# Altium PCB m-BLANC.PcbDoc (part 1 of 15) (continued)
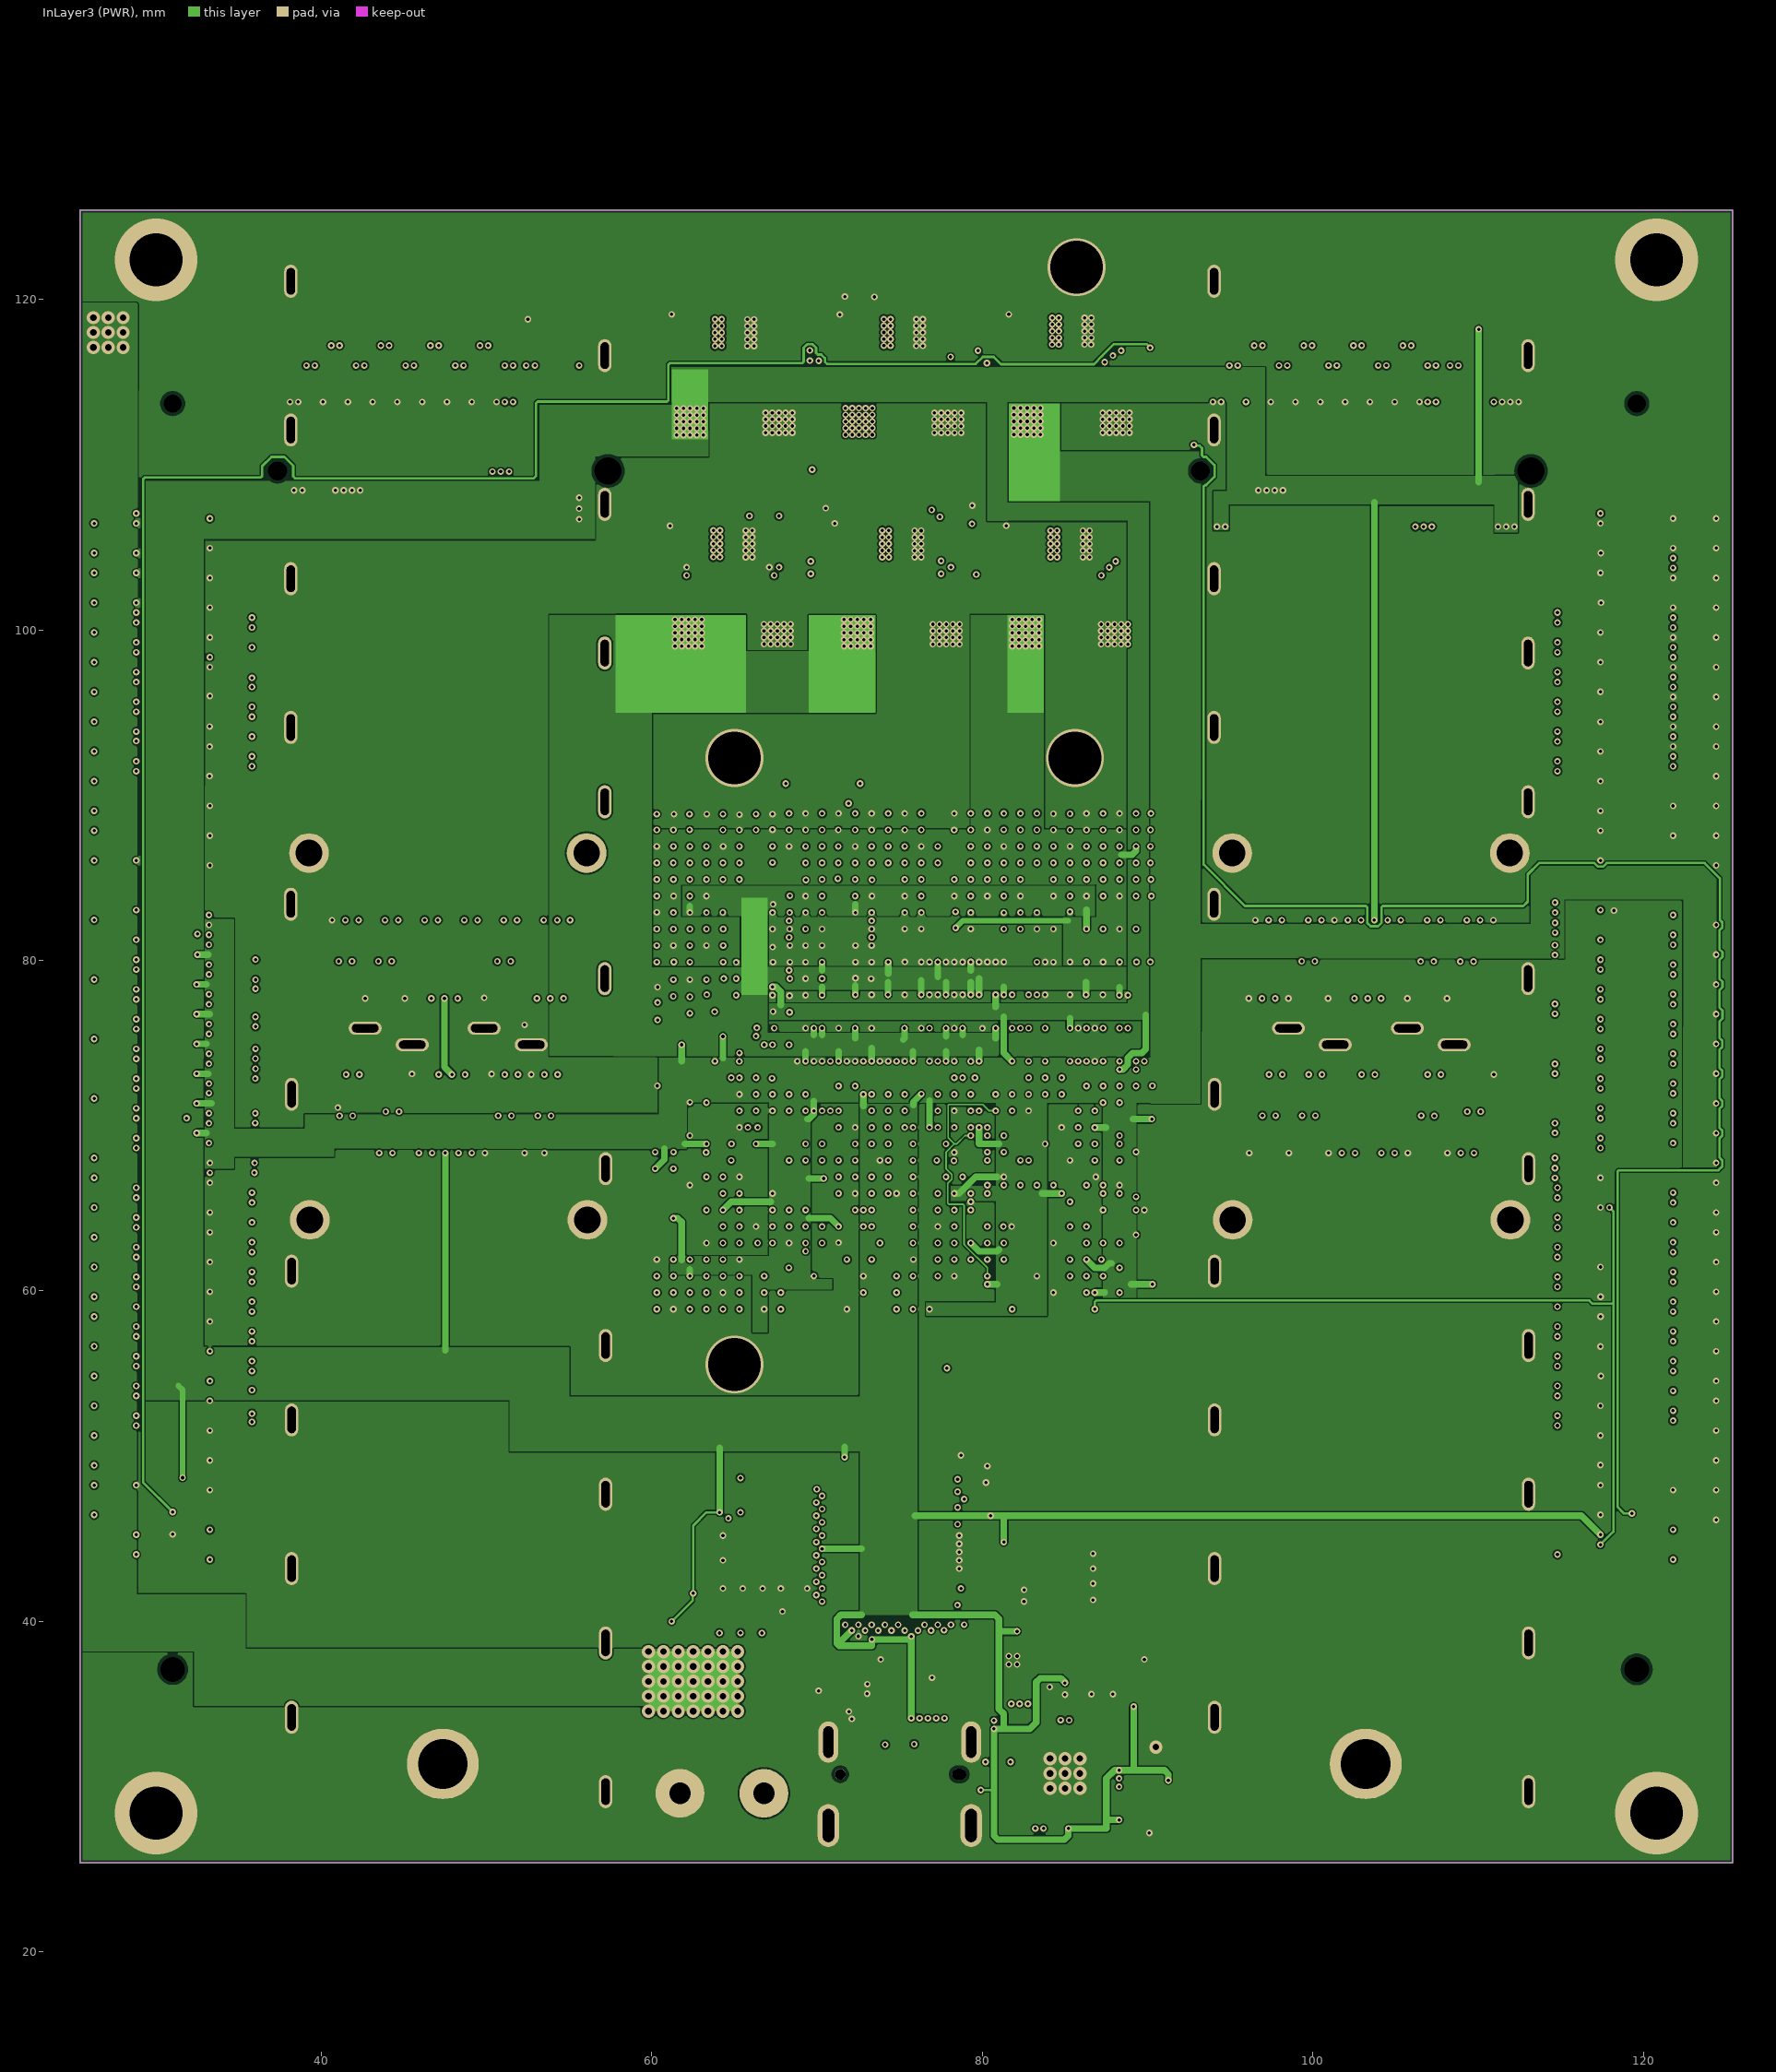
[diagram p4: InLayer3 (PWR)]
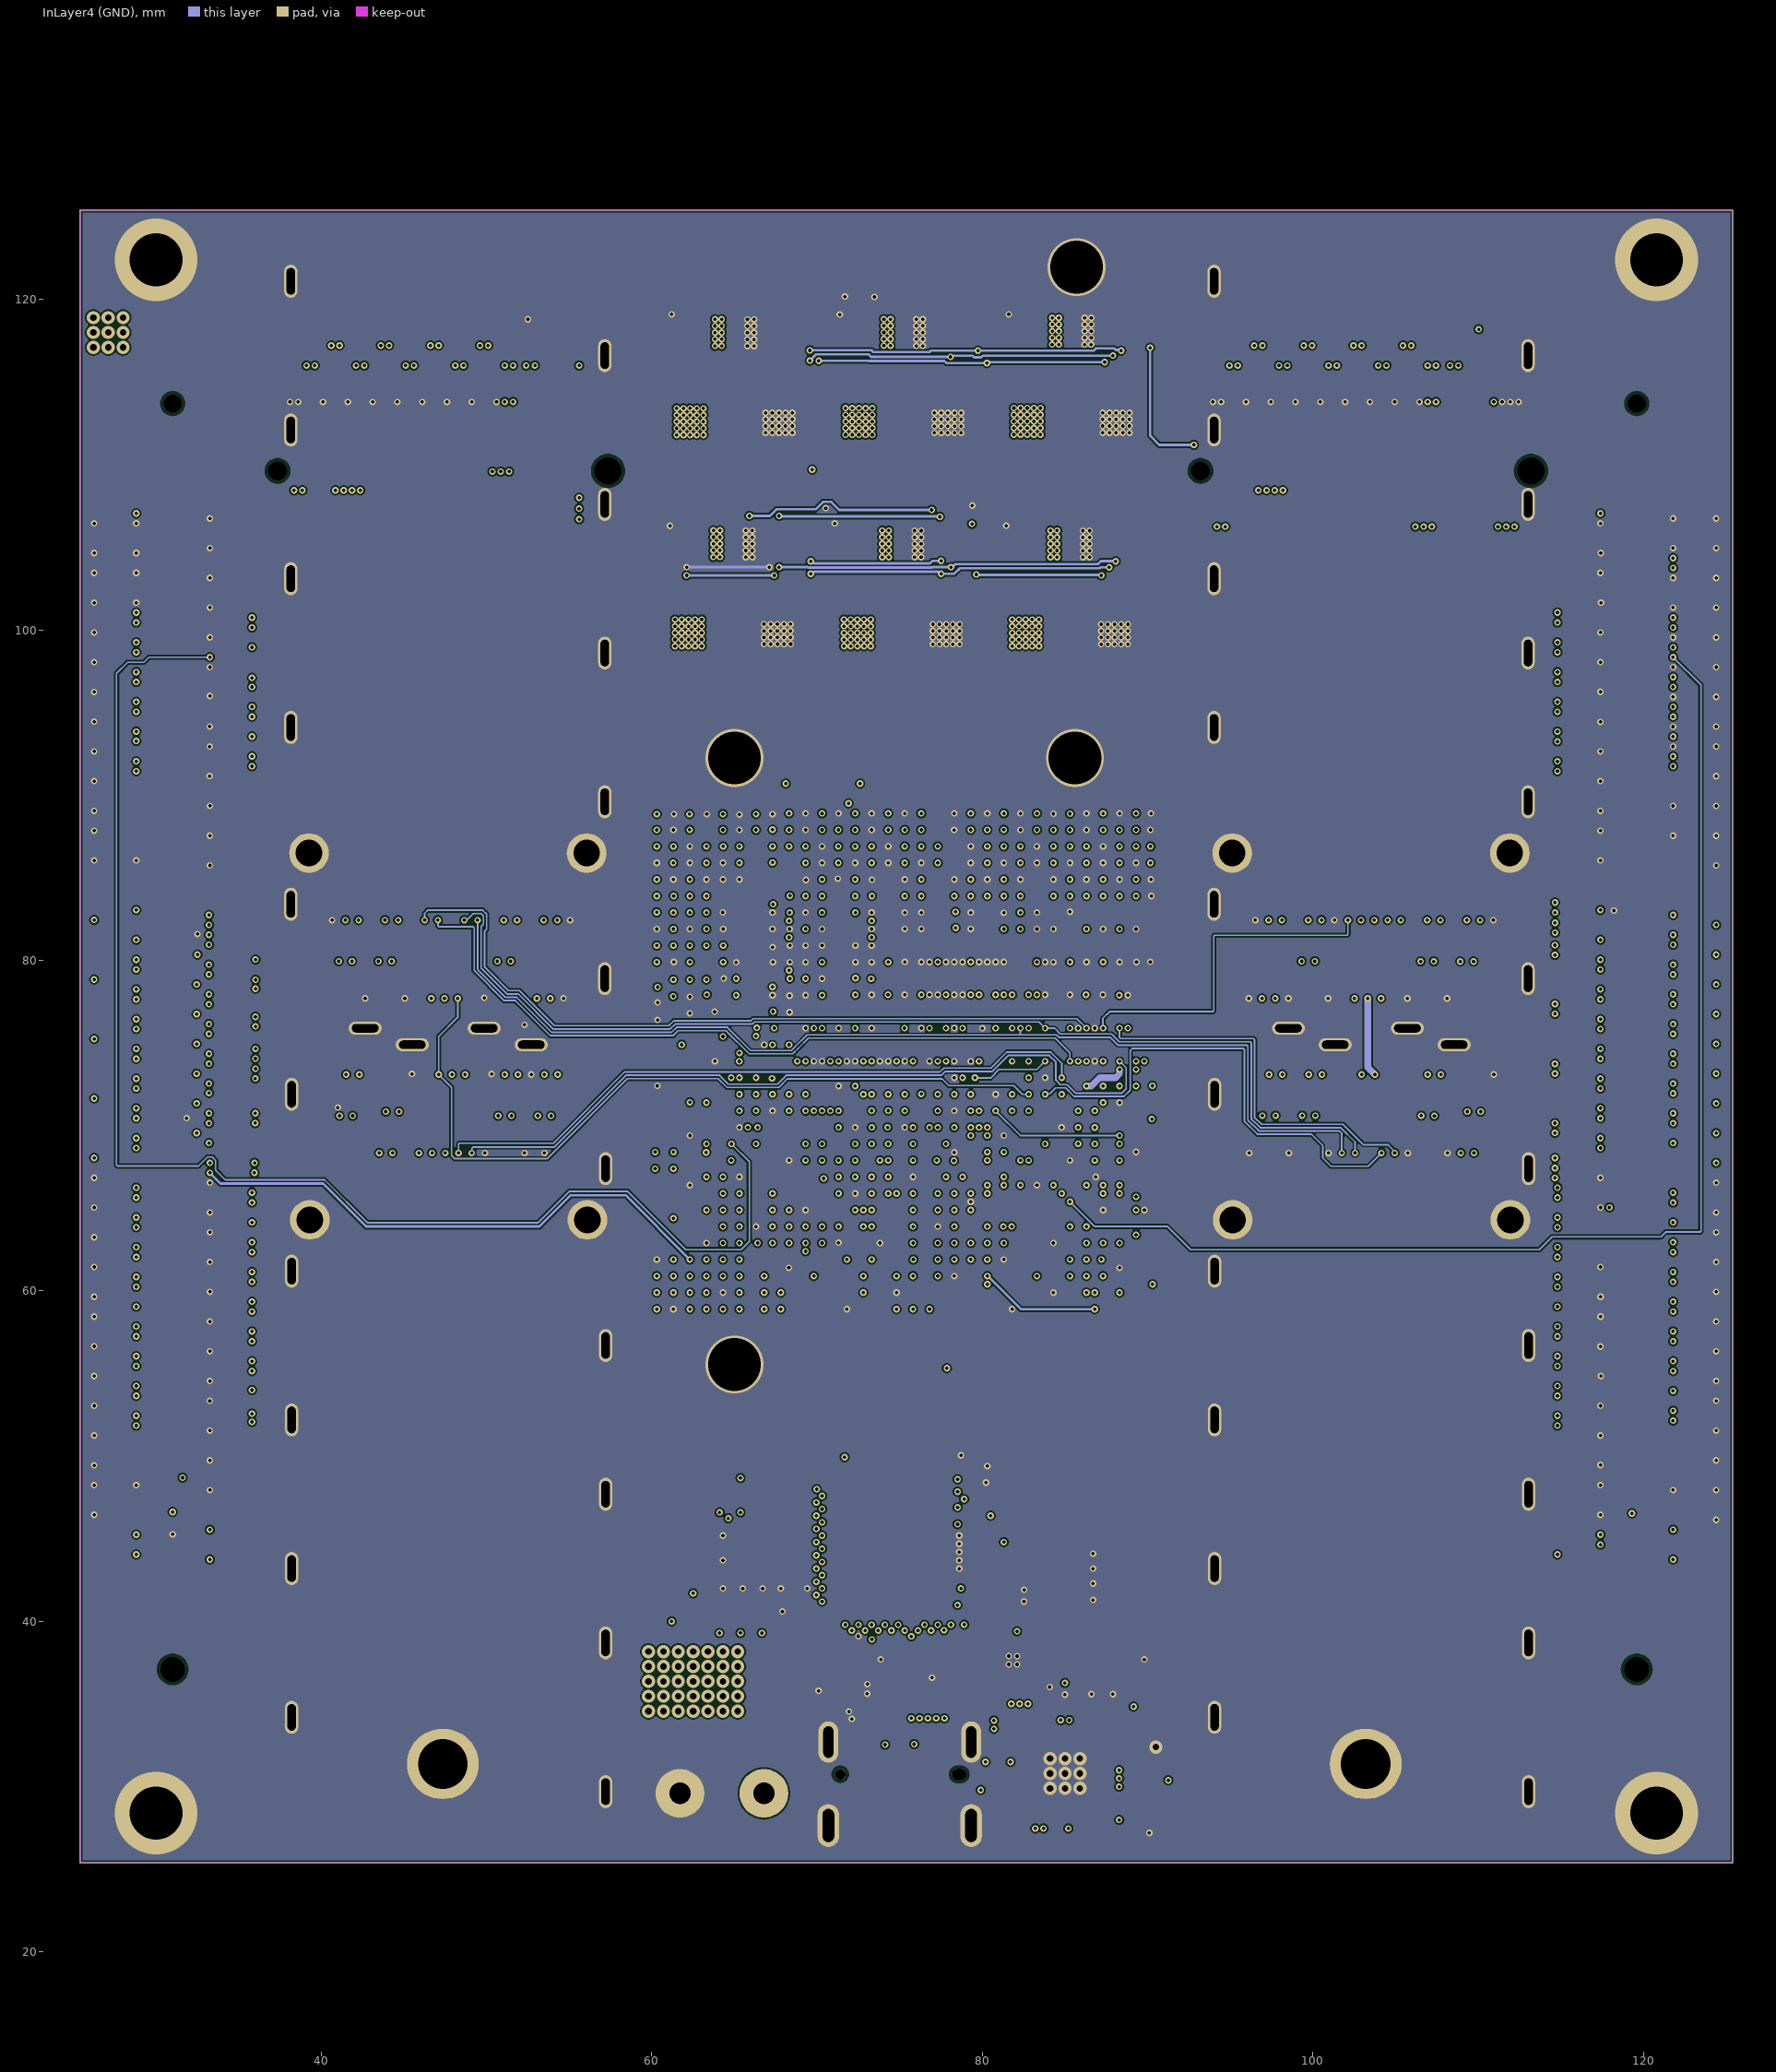
[diagram p5: InLayer4 (GND)]
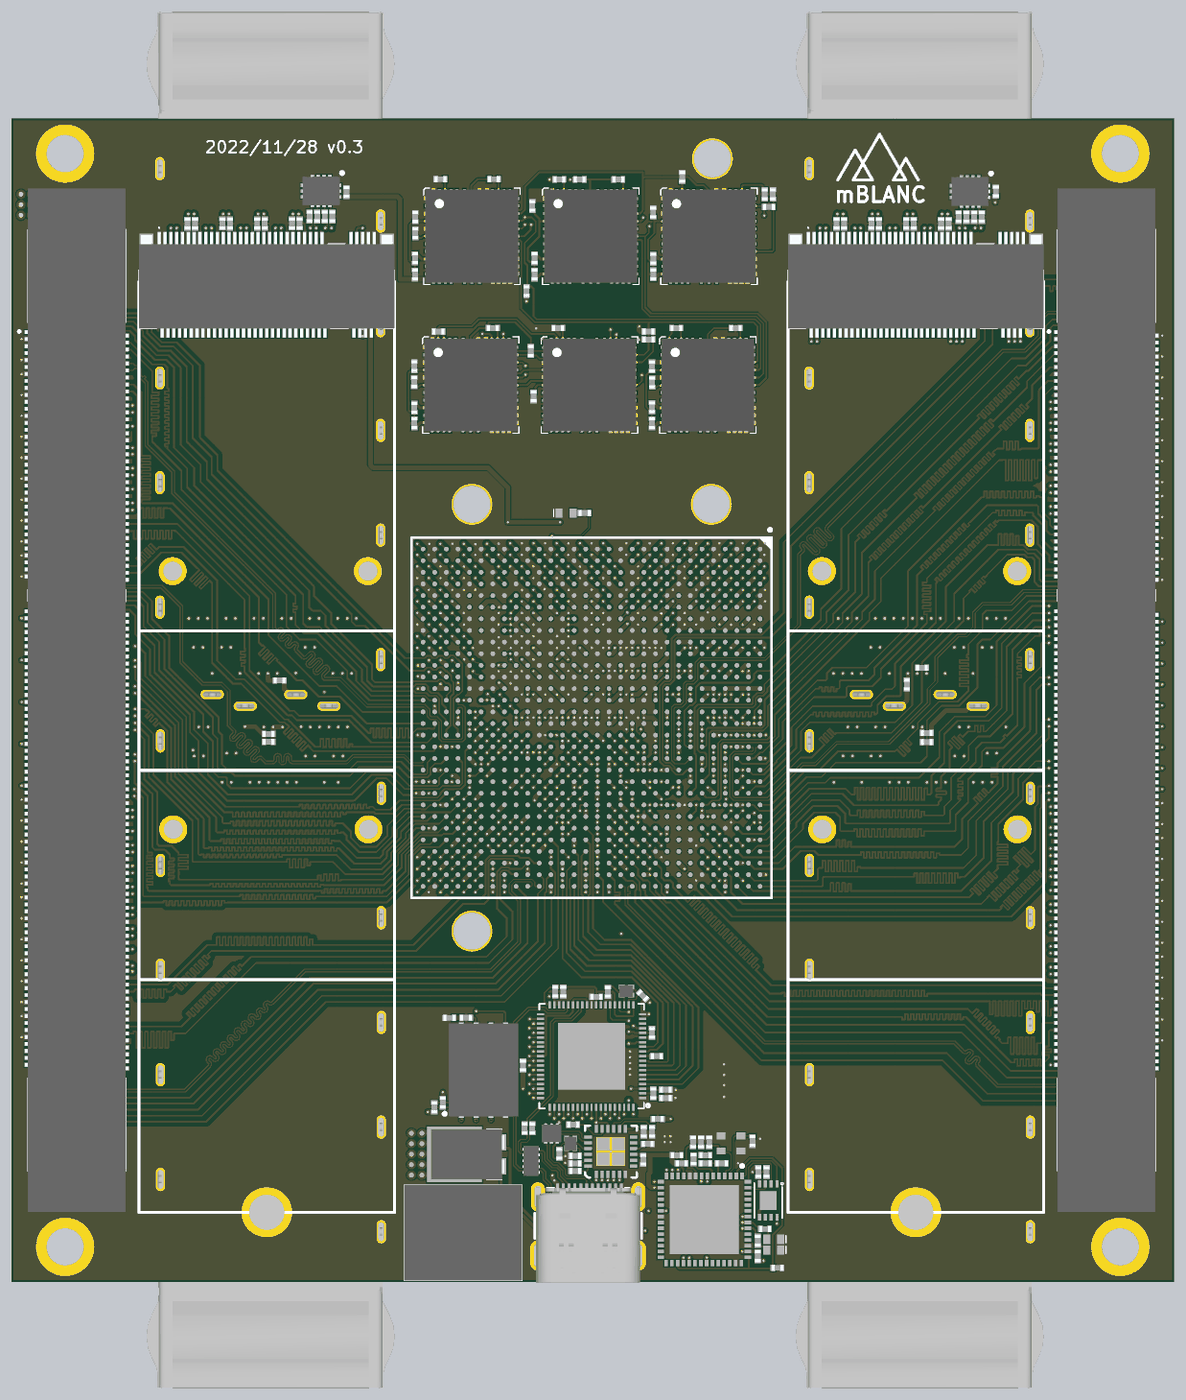
[diagram p20: 3D render of the assembled board from above, using the file's embedded part models]
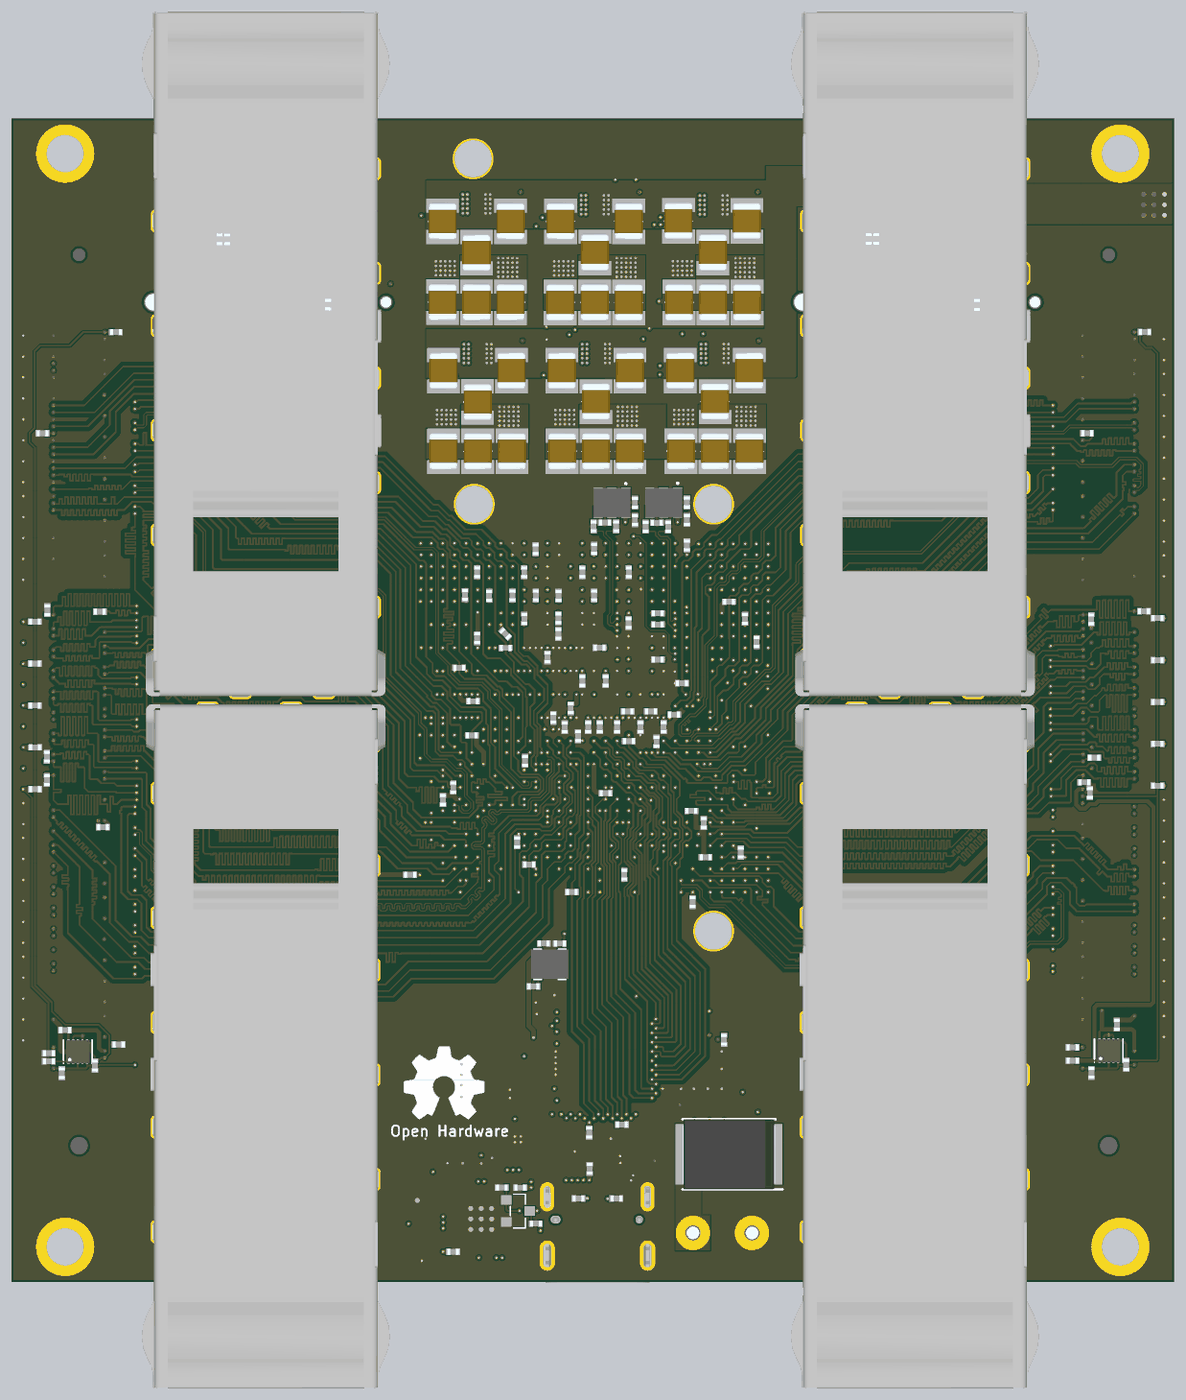
[diagram p21: 3D render of the assembled board from below, using the file's embedded part models]

## Layer stack, top to bottom
Top Solder: solder mask 0.013, SM-001, Dk 3.8
Top Layer: signal copper 0.035
Dielectric 1: prepreg 0.114, JLC2313, Dk 4.05
InLayer1 (GND): signal copper 0.035
Dielectric 2: core 0.533, Core-037, Dk 4.8
InLayer2 (Signal): signal copper 0.035
Dielectric 3: prepreg 0.13, JLC2116, Dk 4.25
InLayer3 (PWR): signal copper 0.035
Dielectric 4: core 0.533, Core-037, Dk 4.8
InLayer4 (GND): signal copper 0.035
Dielectric 5: prepreg 0.114, JLC2313, Dk 4.05
Bottom Layer: signal copper 0.035
Bottom Solder: solder mask 0.013, SM-001, Dk 3.8

## Board outline
25.4,25.4 25.4,125.4 125.4,125.4 125.4,25.4

## Design rules (kind name [scope] priority, off if disabled: settings)
BoardOutlineClearance [All] p1: gap=0 ignorepadtopadclearanceinfootprint=FALSE
Clearance SignalLayers [(OnLayer('Bottom Layer') OR OnLayer('Top Layer') OR OnLayer('InLayer2 (Signal)')) vs (InNetClass('PCIe_1_BUS') OR InNetClass('PCIe_2_BUS') OR InNetClass('QSFP+_1_BUS') OR InNetClass('QSFP+_2_BUS') OR InNetClass('QSFP+_3_BUS') OR InNetClass('QSFP+_4_BUS') OR InNetClass('FIFO_BUS') OR InNetClass('DRAM1_CTRL') OR InNetClass('DRAM1_DQ_0') OR InNetClass('DRAM1_DQ_1') OR InNetClass('DRAM1_DQ_2') OR InNetClass('DRAM1_DQ_3') OR InNetClass('DRAM1_DQ_4') OR InNetClass('DRAM1_DQ_5') OR InNetClass('DRAM1_DQ_6') OR InNetClass('DRAM1_DQ_7') OR InNetClass('DRAM2_CTRL') OR InNetClass('DRAM2_DQ_0') OR InNetClass('DRAM2_DQ_1') OR InNetClass('DRAM2_DQ_2') OR InNetClass('DRAM2_DQ_3') OR InNetClass('DRAM2_DQ_4') OR InNetClass('DRAM2_DQ_5') OR InNetClass('DRAM2_DQ_6') OR InNetClass('DRAM2_DQ_7') OR InAnyDifferentialPair)] p1: gap=0.1 ignorepadtopadclearanceinfootprint=FALSE except(0.2: Arc-Hole Track-Hole SMDPad-Hole THPad-Hole Via-Hole Fill-Hole Poly-Hole Region-Hole Text-Hole; 0.35: Track-Poly)
Clearance [All] p2: gap=0.1 ignorepadtopadclearanceinfootprint=FALSE except(0.2: Arc-Hole Track-Hole SMDPad-Hole THPad-Hole Via-Hole Fill-Hole Poly-Hole Region-Hole Text-Hole)
ComponentClearance [InPolygon vs InPolygon] p1: gap=0 collisioncheckmode=3 verticalgap=0 showdistances=FALSE
DiffPairsRouting [All] p1: maxlimit=0.125 minlimit=0.125 mostfreqgap=0.125 toplayer_minwidth=0.1 toplayer_maxwidth=0.1 toplayer_prefwidth=0.1 midlayer1_minwidth=0.1 midlayer1_maxwidth=0.1 midlayer1_prefwidth=0.1 midlayer2_minwidth=0.1 midlayer2_maxwidth=0.1 midlayer2_prefwidth=0.1 bottomlayer_minwidth=0.1 bottomlayer_maxwidth=0.1 bottomlayer_prefwidth=0.1 impedanceprofiledriven=TRUE impedanceprofileid={ED57EA73-119B-46EC-B6AF-61F6CD1F24BE} impedanceprofilevalue=100.000000 maxuncoupledlength=12.7
HoleSize [All] p1: absolutevalues=TRUE maxlimit=5 minlimit=0.2 maxpercent=80.000 minpercent=20.000
HoleToHoleClearance [All] p1: gap=0.2 allowstackedmicrovias=TRUE
Length DRAM2_CTRL [InNetClass('DRAM2_CTRL')] p1: maxlimit=2540 minlimit=0 usedelayunits=TRUE mindelay=550.000000 maxdelay=550.000000
Length DRAM1_CTRL [InNetClass('DRAM1_CTRL')] p2: maxlimit=2540 minlimit=0 usedelayunits=TRUE mindelay=500.000000 maxdelay=500.000000
Length DRAM1_CLK [InDifferentialPairClass('DRAM1_CLK')] p3: maxlimit=2540 minlimit=0 usedelayunits=TRUE mindelay=525.000000 maxdelay=525.000000
Length DRAM2_CLK [InDifferentialPairClass('DRAM2_CLK')] p4: maxlimit=2540 minlimit=0 usedelayunits=TRUE mindelay=575.000000 maxdelay=575.000000
Length DRAM1_DQ_7 [InNetClass('DRAM1_DQ_7')] p5: maxlimit=2540 minlimit=0 usedelayunits=TRUE mindelay=485.000000 maxdelay=485.000000
Length DRAM2_DQ_7 [InNetClass('DRAM2_DQ_7')] p6: maxlimit=2540 minlimit=0 usedelayunits=TRUE mindelay=485.000000 maxdelay=485.000000
Length DRAM1_DQS_7 [InDifferentialPairClass('DRAM1_DQS_7')] p7: maxlimit=2540 minlimit=0 usedelayunits=TRUE mindelay=485.000000 maxdelay=485.000000
Length DRAM2_DQS_7 [InDifferentialPairClass('DRAM2_DQS_7')] p8: maxlimit=2540 minlimit=0 usedelayunits=TRUE mindelay=485.000000 maxdelay=485.000000
Length DRAM1_DQ_6 [InNetClass('DRAM1_DQ_6')] p9: maxlimit=2540 minlimit=0 usedelayunits=TRUE mindelay=485.000000 maxdelay=485.000000
Length DRAM2_DQ_6 [InNetClass('DRAM2_DQ_6')] p10: maxlimit=2540 minlimit=0 usedelayunits=TRUE mindelay=475.000000 maxdelay=475.000000
Length DRAM1_DQ_5 [InNetClass('DRAM1_DQ_5')] p11: maxlimit=2540 minlimit=0 usedelayunits=TRUE mindelay=395.000000 maxdelay=395.000000
Length DRAM2_DQ_5 [InNetClass('DRAM2_DQ_5')] p12: maxlimit=2540 minlimit=0 usedelayunits=TRUE mindelay=445.000000 maxdelay=445.000000
Length DRAM1_DQ_4 [InNetClass('DRAM1_DQ_4')] p13: maxlimit=2540 minlimit=0 usedelayunits=TRUE mindelay=470.000000 maxdelay=470.000000
Length DRAM2_DQ_4 [InNetClass('DRAM2_DQ_4')] p14: maxlimit=2540 minlimit=0 usedelayunits=TRUE mindelay=510.000000 maxdelay=510.000000
Length DRAM1_DQ_3 [InNetClass('DRAM1_DQ_3')] p15: maxlimit=2540 minlimit=0 usedelayunits=TRUE mindelay=440.000000 maxdelay=440.000000
Length DRAM2_DQ_3 [InNetClass('DRAM2_DQ_3')] p16: maxlimit=2540 minlimit=0 usedelayunits=TRUE mindelay=475.000000 maxdelay=475.000000
Length DRAM1_DQ_2 [InNetClass('DRAM1_DQ_2')] p17: maxlimit=2540 minlimit=0 usedelayunits=TRUE mindelay=435.000000 maxdelay=435.000000
Length DRAM2_DQ_2 [InNetClass('DRAM2_DQ_2')] p18: maxlimit=2540 minlimit=0 usedelayunits=TRUE mindelay=485.000000 maxdelay=485.000000
Length DRAM1_DQ_1 [InNetClass('DRAM1_DQ_1')] p19: maxlimit=2540 minlimit=0 usedelayunits=TRUE mindelay=475.000000 maxdelay=475.000000
Length DRAM2_DQ_1 [InNetClass('DRAM2_DQ_1')] p20: maxlimit=2540 minlimit=0 usedelayunits=TRUE mindelay=505.000000 maxdelay=505.000000
Length DRAM1_DQ_0 [InNetClass('DRAM1_DQ_0')] p21: maxlimit=2540 minlimit=0 usedelayunits=TRUE mindelay=485.000000 maxdelay=485.000000
Length DRAM2_DQ_0 [InNetClass('DRAM2_DQ_0')] p22: maxlimit=2540 minlimit=0 usedelayunits=TRUE mindelay=525.000000 maxdelay=525.000000
Length DRAM1_DQS_6 [InDifferentialPairClass('DRAM1_DQS_6')] p23: maxlimit=2540 minlimit=0 usedelayunits=TRUE mindelay=485.000000 maxdelay=485.000000
Length DRAM2_DQS_6 [InDifferentialPairClass('DRAM2_DQS_6')] p24: maxlimit=2540 minlimit=0 usedelayunits=TRUE mindelay=475.000000 maxdelay=475.000000
Length DRAM1_DQS_5 [InDifferentialPairClass('DRAM1_DQS_5')] p25: maxlimit=2540 minlimit=0 usedelayunits=TRUE mindelay=395.000000 maxdelay=395.000000
Length DRAM2_DQS_5 [InDifferentialPairClass('DRAM2_DQS_5')] p26: maxlimit=2540 minlimit=0 usedelayunits=TRUE mindelay=445.000000 maxdelay=445.000000
Length DRAM1_DQS_4 [InDifferentialPairClass('DRAM1_DQS_4')] p27: maxlimit=2540 minlimit=0 usedelayunits=TRUE mindelay=470.000000 maxdelay=470.000000
Length DRAM2_DQS_4 [InDifferentialPairClass('DRAM2_DQS_4')] p28: maxlimit=2540 minlimit=0 usedelayunits=TRUE mindelay=510.000000 maxdelay=510.000000
Length DRAM1_DQS_3 [InDifferentialPairClass('DRAM1_DQS_3')] p29: maxlimit=2540 minlimit=0 usedelayunits=TRUE mindelay=440.000000 maxdelay=440.000000
Length DRAM2_DQS_3 [InDifferentialPairClass('DRAM2_DQS_3')] p30: maxlimit=2540 minlimit=0 usedelayunits=TRUE mindelay=475.000000 maxdelay=475.000000
Length DRAM1_DQS_2 [InDifferentialPairClass('DRAM1_DQS_2')] p31: maxlimit=2540 minlimit=0 usedelayunits=TRUE mindelay=435.000000 maxdelay=435.000000
Length DRAM2_DQS_2 [InDifferentialPairClass('DRAM2_DQS_2')] p32: maxlimit=2540 minlimit=0 usedelayunits=TRUE mindelay=485.000000 maxdelay=485.000000
Length DRAM1_DQS_1 [InDifferentialPairClass('DRAM1_DQS_1')] p33: maxlimit=2540 minlimit=0 usedelayunits=TRUE mindelay=435.000000 maxdelay=435.000000
Length DRAM2_DQS_1 [InDifferentialPairClass('DRAM2_DQS_1')] p34: maxlimit=2540 minlimit=0 usedelayunits=TRUE mindelay=505.000000 maxdelay=505.000000
Length DRAM1_DQS_0 [InDifferentialPairClass('DRAM1_DQS_0')] p35: maxlimit=2540 minlimit=0 usedelayunits=TRUE mindelay=485.000000 maxdelay=485.000000
Length DRAM2_DQS_0 [InDifferentialPairClass('DRAM2_DQS_0')] p36: maxlimit=2540 minlimit=0 usedelayunits=TRUE mindelay=525.000000 maxdelay=525.000000
Length QSFP4_DIF [InDifferentialPairClass('QSFP+_4_DIF')] p37: maxlimit=2540 minlimit=0 usedelayunits=TRUE mindelay=325.000000 maxdelay=325.000000
Length QSFP1 [InNetClass('QSFP+_1_BUS')] p38: maxlimit=2540 minlimit=0 usedelayunits=TRUE mindelay=615.000000 maxdelay=615.000000
Length QSFP1_DIF [InDifferentialPairClass('QSFP+_1_DIF')] p39: maxlimit=2540 minlimit=0 usedelayunits=TRUE mindelay=615.000000 maxdelay=615.000000
Length QSFP2_DIF [InDifferentialPairClass('QSFP+_2_DIF')] p40: maxlimit=2540 minlimit=0 usedelayunits=TRUE mindelay=435.000000 maxdelay=435.000000
Length QSFP2 [InNetClass('QSFP+_2_BUS')] p41: maxlimit=2540 minlimit=0 usedelayunits=TRUE mindelay=450.000000 maxdelay=450.000000
Length PCIe_2 [InDifferentialPairClass('PCIe_2_DIF')] p42: maxlimit=2540 minlimit=0 usedelayunits=TRUE mindelay=520.000000 maxdelay=520.000000
Length PCIe_1 [InDifferentialPairClass('PCIe_1_DIF')] p43: maxlimit=2540 minlimit=0 usedelayunits=TRUE mindelay=675.000000 maxdelay=675.000000
Length QSFP3_DIF [InDifferentialPairClass('QSFP+_3_DIF')] p44: maxlimit=75 minlimit=75 usedelayunits=TRUE mindelay=345.000000 maxdelay=345.000000
Length QSFP3 [InNetClass('QSFP+_3_BUS')] p45: maxlimit=48 minlimit=48 usedelayunits=TRUE mindelay=345.000000 maxdelay=345.000000
Length QSFP4 [InNetClass('QSFP+_4_BUS')] p46: maxlimit=45 minlimit=45 usedelayunits=TRUE mindelay=325.000000 maxdelay=325.000000
MinimumSolderMaskSliver [All] p1: minsoldermaskwidth=0
PlaneClearance [All] p1: clearance=0.1
PlaneConnect [All] p1: planeconnectstyle=Direct reliefexpansion=0.508 reliefentries=4 reliefconductorwidth=0.254 reliefairgap=0.254
PolygonConnect [All] p1: connectstyle=Direct reliefconductorwidth=0.254 reliefentries=4 polygonreliefangle="90 Angle" airgapwidth=0.254
RoutingCorners [All] p1: cornerstyle=45-Degree minsetback=1 maxsetback=1
RoutingVias [All] p1: holewidth=0.2 width=0.4 viastyle="Through Hole" minholewidth=0.2 minwidth=0.4 maxholewidth=5 maxwidth=5.5
SilkToSolderMaskClearance [IsPad] p1: minsilkscreentomaskgap=0.1 clearancetoexposedcopper=TRUE
SolderMaskExpansion [All] p1: expansion=0 istentingtop=FALSE
Width [All] p1: maxlimit=10 minlimit=0.1 preferedwidth=0.15
21 further rules are at their usual default settings.
